# Altium PCB ESP32 V1.0.PcbDoc (part 2 of 2)
Units mm, origin at the board's own origin, x right, y up, seen from the top; angles counter-clockwise.
Board outline 74.47 x 73.52 mm, 4 copper layers (Top Layer, Layer 1, Layer 2, Bottom Layer), stack 1.571 mm thick; 107 components, 77 nets, 387 pads, 218 vias.
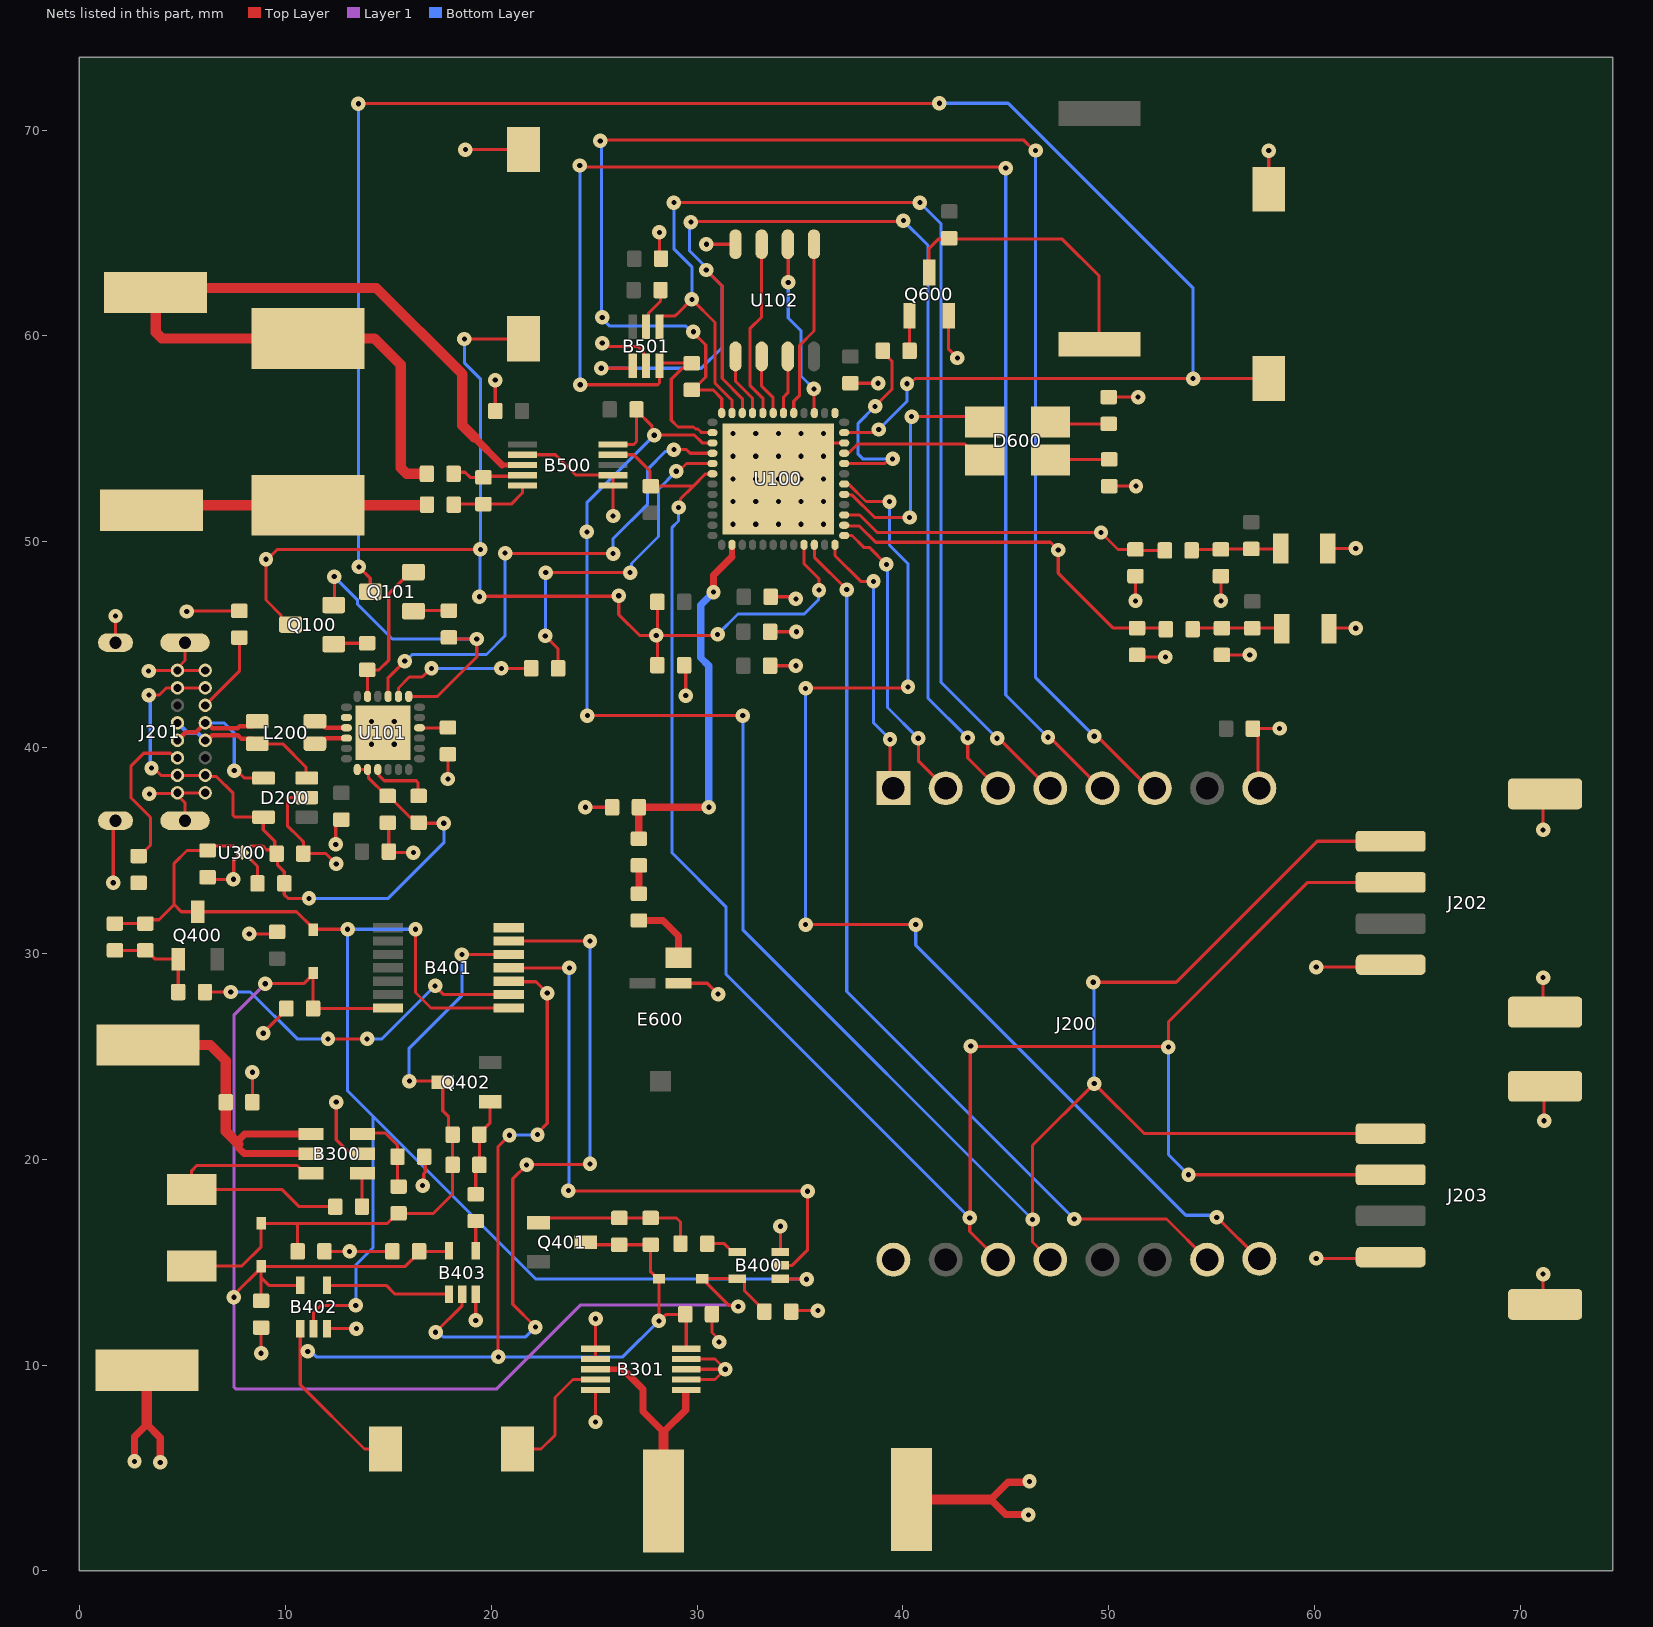
[diagram p4: the nets of this part, all layers, seen from the top]

## Via types
v1: diameter 0.7, hole 0.25, Top Layer to Bottom Layer, 189 vias
v2: diameter 0.5, hole 0.25, Top Layer to Bottom Layer, 29 vias

## Nets (pads, with @x,y where several pads share a name; then routed paths per layer and width w, separated by ;. In a path a pad name is that pad's centre, name@x,y a point inside that pad or via, vN(x,y) a via of type N, cw(c..) or ccw(c..) an arc to the next point about the centre after c; other vN are vias at no path point) (continued)
EN: C107.1 Q100.3 R101.1 SW201.1 U100.9 | length 54.6
  Top Layer w0.15: v1(9.06,49.146) v1@9.175,49.146 ; Q100.3@10.25,45.975 10.114,45.975 9.79,46.298 9.79,46.435 9.06,47.165 9.06,49.031 v1@9.175,49.146 ; v1(18.7,59.85) 21.57,59.85 SW201.1@21.575,59.855 ; v1(19.425,47.325) 19.45,47.35 26.175,47.35 v1(26.2,47.375) 26.2,46.456 27.206,45.45 v1(28.021,45.45) ; v1(19.475,49.625) 9.605,49.625 9.175,49.195 v1@9.175,49.146 ; C107.1@28.075,44 v1@28.075,45.396 ; v1@28.075,45.504 R101.1@28.075,47.075 ; v1@28.125,45.45 30.95,45.45 v1(31,45.5) ; U100.9@35.2,49.85 35.2,48.925 35.925,48.2 v1(35.925,47.65)
  Bottom Layer w0.15: v1(18.7,59.85) 18.7,58.697 19.475,57.922 v1(19.475,49.625) 19.45,49.6 19.45,47.35 v1(19.425,47.325) ; v1(31,45.5) 31.988,46.488 35.213,46.488 35.893,47.168 35.893,47.618 v1(35.925,47.65)
GND: B300.2 B301.2 B301.3 B301.4 B301.6 B301.7 B301.10 B400.3 B401.7 B402.3 B403.3 B500.1 B500.2 B500.7 B501.2 B600.2 B601.2 C100.2 C101.2 C102.2 C103.2 C104.2 C105.2 C106.2 C107.2 C108.2 C200.2 C301.2 C302.2 C303.2 C304.2 C305.2 C400.2 C404.2 C405.2 C406.2 C407.2 C500.2 C501.2 C602.2 C603.2 C604.2 C605.2 C606.2 D200.2 E600.2 J200.8 J200.16 J201.A1 J201.A12 J201.B1 J201.B12 J201.S1 J201.S2 J201.S3 J201.S4 J202.1 J202.MP1 J202.MP2 J203.1 J203.MP1 J203.MP2 P202.1 P203.1 Q600.2 R200.1 R201.1 R301.1 R601.1 R602.1 SW200.2 SW201.2 U100.22 U100.49 U101.2 U101.25 U102.4 U300.2 U300.5 | length 135.5
  Top Layer w0.15: v1(1.64,33.43) 1.64,36.34 J201.S2@1.75,36.45 ; J201.S1@1.75,45.1 v1(1.75,46.39) ; v1(3.36,43.72) 3.375,43.735 4.745,43.735 J201.B12@4.76,43.75 ; v1(3.4,37.75) 3.425,37.775 4.735,37.775 J201.B1@4.76,37.8 ; J201.S4@5.13,36.45 5.13,37.323 4.76,37.693 J201.B1@4.76,37.8 ; J201.S3@5.13,45.1 5.13,44.227 4.76,43.857 J201.B12@4.76,43.75 ; v1(5.21,46.61) 5.24,46.64 R200.1@7.77,46.64 ; J201.A12@6.11,37.8 J201.B1@4.76,37.8 ; J201.A1@6.11,43.75 J201.B12@4.76,43.75 ; C303.2@6.225,33.7 6.325,33.6 v1(7.475,33.6) 7.495,33.62 U300.2@7.495,34.575 7.575,34.575 U300.5@7.9,34.9 ; v1(8.25,30.95) 9.5,30.95 C400.2@9.6,31.05 ; C302.2@8.4,22.775 v1(8.4,24.225) ; v1(8.825,10.575) C406.2@8.825,11.825 ; v1(8.925,26.125) 8.925,26.143 10.05,27.268 C405.2@10.05,27.325 ; D200.2@11.045,37.575 10.25,37.575 10.1,37.425 10.1,36.2 10.688,35.612 10.875,35.425 C304.2@10.875,34.85 11.975,34.85 v1(12.475,34.35) ; C301.2@11.9,15.525 v1(13.125,15.525) C407.2@15.2,15.525 ; B402.3@12.025,11.775 v1(13.45,11.775) ; v1(12.45,35.3) 12.45,36.226 C101.2@12.725,36.5 ; v1(12.475,22.775) 12.475,20.95 13.013,20.412 13.613,20.412 B300.2@13.75,20.275 ; C102.2@14.975,36.35 15.025,36.3 C100.2@15.025,34.95 15.075,34.9 v1(16.225,34.9) ; v1(16.67,18.72) 16.725,18.775 16.725,19.295 16.8,19.37 16.8,20.075 R301.1@16.75,20.125 ; v1(17.9,38.475) C106.2@17.9,39.675 ; v1(18.75,69.05) 21.57,69.05 SW201.2@21.575,69.045 ; v1(19.25,12.175) B403.3@19.25,13.45 ; C501.2@20.2,56.35 v1(20.2,57.85) ; B500.7@21.525,54.225 23.125,54.225 24.1,53.25 25.9,53.25 B500.2@25.925,53.225 B500.1@25.925,52.725 v1(25.925,51.25) ; v1(24.575,37.1) C602.2@25.875,37.1 ; v1(25.069,7.236) 25.069,8.794 B301.10@25.075,8.8 ; B301.7@25.075,10.3 B301.6@25.075,10.8 v1(25.075,12.25) ; v1(25.4,59.65) 25.549,59.65 25.724,59.475 27.136,59.475 27.4,59.211 27.4,58.675 B501.2@27.525,58.55 ; v1(28.171,65.025) 28.171,63.829 C500.2@28.25,63.75 ; E600.2@29.1,28.55 30.5,28.55 v1(31.025,28.025) ; C107.2@29.375,44 29.454,43.921 v1(29.454,42.525) ; B301.2@29.475,9.3 30.875,9.3 v1(31.375,9.8) ; B301.3@29.475,9.8 v1(31.375,9.8) ; B301.4@29.475,10.3 30.875,10.3 v1(31.375,9.8) ; v1(30.454,64.45) U102.4@31.87,64.45 ; C305.2@30.725,12.475 30.725,11.588 31.075,11.238 v1(31.075,11.125) ; C103.2@33.55,43.975 v1(34.8,43.975) ; C104.2@33.55,45.625 v1(34.825,45.625) ; C105.2@33.575,47.325 34.7,47.325 v1(34.8,47.225) ; B400.3@34.05,15.5 v1(34.05,16.75) ; C404.2@34.575,12.6 34.625,12.65 v1(35.875,12.65) ; v2(36.15,55.25) 36.15,55.225 36.575,54.8 U100.22@37.15,54.8 ; C108.2@37.45,57.7 v1(38.796,57.7) ; Q600.2@42.23,60.975 42.225,60.97 42.225,59.35 v1(42.65,58.925) ; R602.1@50,57.025 v1(51.425,57.025) ; R601.1@50.025,52.7 v1(51.325,52.7) ; v1(51.3,47.125) C603.2@51.3,48.325 ; C605.2@51.375,44.5 51.475,44.4 v1(52.75,44.4) ; v1(55.45,47.125) C604.2@55.45,48.325 ; C606.2@55.5,44.5 v1(56.85,44.5) ; J200.8@57.32,38.025 57.254,38.091 57.254,40.671 C200.2@57,40.925 v1(58.3,40.925) ; SW200.2@57.775,67.12 v1(57.775,69) ; v1(60.08,15.185) 63.635,15.185 J203.1@63.7,15.25 ; v1(60.08,29.335) 63.585,29.335 J202.1@63.7,29.45 ; B600.2@60.65,49.675 v1(62,49.675) ; B601.2@60.7,45.775 60.725,45.8 v1(62,45.8) ; v1(71.1,14.425) 71.1,13.05 J203.MP1@71.2,12.95 ; v1(71.1,28.825) 71.1,27.25 J202.MP1@71.2,27.15 ; v1(71.1,36) 71.1,37.65 J202.MP2@71.2,37.75 ; v1(71.15,21.875) 71.15,23.5 J203.MP2@71.2,23.55
  Top Layer w0.254: D200.2@11.04,37.57 D200.2@11.045,37.575
  Top Layer w0.35: v1(2.675,5.325) 2.675,6.525 3.275,7.125 3.925,6.475 v1(3.925,5.275) ; v1(46.1,2.725) 46.075,2.75 45,2.75 44.275,3.475 45.112,4.312 46.112,4.312 v1(46.15,4.35)
  Top Layer w0.5: 3.275,7.125 P202.1@3.275,9.75 ; P203.1@40.425,3.475 44.275,3.475
  other v2: 14.195,40.16 15.295,40.16 14.195,41.26 15.295,41.26 31.75,50.85 32.85,50.85 33.95,50.85 35.05,50.85 36.15,50.85 31.75,51.95 32.85,51.95 33.95,51.95 35.05,51.95 36.15,51.95 31.75,53.05 32.85,53.05 33.95,53.05 35.05,53.05 36.15,53.05 31.75,54.15 32.85,54.15 33.95,54.15 35.05,54.15 36.15,54.15 31.75,55.25 32.85,55.25 33.95,55.25 35.05,55.25
GPIO0: Q101.3 SW200.1 U100.23 | length 94.8
  Top Layer w0.15: v1(13.55,71.275) 13.563,71.288 41.762,71.288 v1(41.775,71.3) ; v1(13.575,48.775) 14.125,48.225 Q101.3@14.125,47.575 ; U100.23@37.15,55.3 38.526,55.3 38.676,55.45 v1(38.825,55.45) ; v1(40.2,57.675) 40.349,57.675 40.604,57.93 SW200.1@57.775,57.93
  Bottom Layer w0.15: v1(13.55,71.275) 13.563,71.263 13.563,48.787 v1(13.575,48.775) ; v1(38.825,55.45) 40.2,56.825 v1(40.2,57.675) ; v1(41.775,71.3) 45.114,71.3 54.1,62.314 v1(54.1,57.925)
GPIO17: U100.27 U102.2 | length 8.7
  Top Layer w0.15: U102.2@34.41,64.45 34.43,64.43 v1(34.43,62.595) ; v1(35.675,57.425) 35.688,57.412 35.688,56.262 U100.27@35.7,56.25
  Bottom Layer w0.15: v1(34.43,62.595) 34.43,60.87 35.05,60.25 35.05,58.05 v1(35.675,57.425)
NetB300_1: B300.1 C300.2 | length 1.6
  Top Layer w0.15: C300.2@13.725,17.7 13.725,19.3 B300.1@13.75,19.325
NetB300_3: B300.3 R300.1 R301.2 | length 4
  Top Layer w0.15: B300.3@13.75,21.225 13.8,21.275 14.85,21.275 15.45,20.675 R301.2@15.45,20.125 ; R301.2@15.45,20.125 15.45,18.725 R300.1@15.5,18.675
NetB300_6: B300.6 C300.1 L1.1 | length 14.3
  Top Layer w0.15: B300.6@11.25,19.325 10.95,19.325 10.575,19.7 5.7,19.7 5.45,19.45 L1.1@5.45,18.525 5.9,18.525 9.85,18.525 10.675,17.7 C300.1@12.425,17.7
NetB301_9: B301.9 L2.1 | length 6.3
  Top Layer w0.15: L2.1@21.275,5.925 22.425,5.925 23.1,6.6 23.1,8.425 23.975,9.3 B301.9@25.075,9.3
NetB400_4: B400.4 R403.1 | length 1.6
  Top Layer w0.15: R403.1@30.5,15.9 31.325,15.9 31.725,15.5 B400.4@31.95,15.5
NetB402_4: B402.4 B403.1 | length 6.1
  Top Layer w0.15: B402.4@12.025,13.875 14.9,13.875 15.325,13.45 B403.1@17.95,13.45
NetB403_4: B403.4 R405.1 | length 1.5
  Top Layer w0.15: B403.4@19.25,15.55 R405.1@19.25,17
NetB500_4: B500.4 J200.14 J202.3 J203.3 R502.2 U100.42 | length 100
  Top Layer w0.15: B500.4@25.925,54.225 26.925,54.225 27.707,53.443 27.707,52.7 R502.2@27.75,52.7 29.811,52.7 ; v1(29.105,51.662) 29.195,51.753 29.195,52.085 29.811,52.7 ; U100.42@30.75,53.3 30.41,53.299 29.811,52.7 ; J200.14@44.62,15.125 43.25,16.495 v1(43.25,17.15) 43.275,17.175 43.275,25.475 v1(43.3,25.5) 43.325,25.475 52.875,25.475 v1(52.9,25.45) 52.9,26.675 59.675,33.45 J202.3@63.7,33.45 ; v1(53.875,19.25) J203.3@63.7,19.25
  Bottom Layer w0.15: v1(29.105,51.662) 29.105,51.005 28.775,50.675 28.775,34.9 31.4,32.275 31.4,29 v1(43.25,17.15) ; v1(52.9,25.45) 52.9,20.225 v1(53.875,19.25)
NetB500_5: B500.5 J200.13 J202.4 J203.4 R503.2 U100.39 | length 107.9
  Top Layer w0.15: v1(24.675,41.55) v1(32.225,41.55) ; B500.5@25.925,54.725 26.925,54.725 27.061,54.861 R503.2@27.061,56.425 ; R503.2@27.061,56.382 27.061,56.375 27.82,55.616 27.82,55.28 v1(27.925,55.175) 29.875,55.175 30.25,54.8 U100.39@30.75,54.8 ; J200.13@47.16,15.125 46.3,15.985 v1(46.3,17.075) 46.3,20.675 v1(49.3,23.675) 51.725,21.25 J203.4@63.7,21.25 ; v1(49.25,28.6) 53.275,28.6 60.125,35.45 J202.4@63.7,35.45
  Bottom Layer w0.15: v1(24.675,41.55) 24.663,41.563 24.663,50.462 v1(24.65,50.475) 24.65,51.9 v1(27.925,55.175) ; v1(32.225,41.55) 32.225,31.15 v1(46.3,17.075) ; v1(49.25,28.6) 49.275,28.575 49.275,23.7 v1(49.3,23.675)
NetB501_1: B501.1 J200.3 U100.34 | length 62.2
  Top Layer w0.15: v1(25.35,58.425) 26.75,58.425 B501.1@26.875,58.55 ; v1(29.704,65.525) 29.742,65.563 39.987,65.563 v1(40.025,65.6) ; v1(30.45,63.2) 31.225,62.425 31.225,57.925 32.2,56.95 U100.34@32.2,56.25 ; v1(43.15,40.475) 43.15,39.495 J200.3@44.62,38.025
  Bottom Layer w0.15: v1(25.35,58.425) 30.211,58.425 31.225,59.439 31.225,62.425 v1(30.45,63.2) 30.45,63.325 29.625,64.15 29.625,65.446 v1(29.704,65.525) ; v1(40.025,65.6) 41.225,64.4 41.225,42.4 v1(43.15,40.475)
NetB501_3: B501.3 J200.5 R501.2 U100.38 | length 75.5
  Top Layer w0.15: v1(24.3,68.275) 24.375,68.2 44.95,68.2 v1(45,68.15) ; v1(24.325,57.625) 28.087,57.625 28.175,57.713 B501.3@28.175,58.55 28.3,58.675 R501.2@29.75,58.675 29.504,58.429 29.279,58.429 28.75,57.9 28.75,55.9 29.075,55.575 29.829,55.575 29.929,55.475 30.05,55.475 30.225,55.3 U100.38@30.75,55.3 ; v1(47.05,40.5) 47.137,40.5 49.612,38.025 J200.5@49.7,38.025
  Bottom Layer w0.15: v1(24.3,68.275) 24.325,68.25 v1(24.325,57.625) ; v1(45,68.15) 45,42.55 v1(47.05,40.5)
NetB501_4: B501.4 J200.4 U100.35 | length 56.8
  Top Layer w0.15: B501.4@28.175,60.45 28.175,60.835 28.3,60.96 28.91,60.96 28.976,61.026 ; v1(28.875,66.475) v1(40.825,66.475) ; 29.001,61.026 v1(29.75,61.775) 30.873,60.652 30.873,57.702 31.7,56.875 U100.35@31.7,56.25 ; v1(44.575,40.45) 44.655,40.45 47.08,38.025 J200.4@47.16,38.025
  Bottom Layer w0.15: v1(28.875,66.475) 28.875,64.225 29.75,63.35 v1(29.75,61.775) ; v1(40.825,66.475) 41.85,65.45 41.85,43.175 v1(44.575,40.45)
NetB501_5: B501.5 R500.1 | length 2.2
  Top Layer w0.15: B501.5@27.525,60.325 27.65,60.45 27.65,61.111 28.225,61.686 R500.1@28.225,62.225
NetB600_1: B600.1 C604.1 R604.1 R605.2 | length 4.4
  Top Layer w0.15: R605.2@54.025,49.575 54.075,49.625 C604.1@55.45,49.625 55.463,49.637 56.912,49.637 R604.1@56.925,49.65 58.325,49.65 B600.1@58.35,49.675
NetB601_1: B601.1 C606.1 R606.1 R607.2 | length 4.4
  Top Layer w0.15: R607.2@54.075,45.75 54.125,45.8 C606.1@55.5,45.8 R606.1@56.975,45.8 58.375,45.8 B601.1@58.4,45.775
NetC106_1: C106.1 U101.16 | length 1.4
  Top Layer w0.15: U101.16@16.52,40.96 17.885,40.96 C106.1@17.9,40.975
NetC401_2: C401.2 Q400.1 R400.1 R401.2 | length 4.9
  Top Layer w0.15: C401.2@1.725,30.15 R400.1@3.2,30.15 3.257,30.15 3.682,29.725 Q400.1@4.8,29.725 R401.2@4.8,28.125
NetC402_2: C402.2 Q401.1 R402.1 R403.2 | length 8.1
  Top Layer w0.15: Q401.1@22.3,16.925 22.525,17.15 R402.1@26.225,17.15 C402.2@27.75,17.15 ; C402.2@27.75,17.15 29,17.15 29.2,16.95 R403.2@29.2,15.9
NetC403_2: C403.2 Q402.1 R404.1 R405.2 | length 4.8
  Top Layer w0.15: R405.2@19.25,18.3 19.25,19.55 C403.2@19.425,19.725 ; C403.2@19.425,19.725 R404.1@19.425,21.2 19.425,21.25 19.95,21.775 Q402.1@19.95,22.8
NetC600_1: C600.1 C602.1 U100.2 | length 18.4
  Top Layer w0.3: 31.7,49.275 31.7,49.493 U100.2@31.7,49.78
  Top Layer w0.36: C600.1@27.175,35.575 C602.1@27.175,37.1 v1@30.575,37.1 ; v1(30.8,47.55) 30.8,48.375 31.7,49.275
  Bottom Layer w0.36: v1(30.575,37.1) 30.575,43.975 30.172,44.378 30.172,46.92 30.8,47.548 v1(30.8,47.55)
NetC600_2: C600.2 C601.2 | length 1.4
  Top Layer w0.341: C601.2@27.175,32.9 C600.2@27.175,34.275
NetC601_1: C601.1 E600.3 | length 3.3
  Top Layer w0.341: C601.1@27.175,31.6 28.35,31.6 29.1,30.85 E600.3@29.1,29.8
NetC603_1: C603.1 R605.1 U100.15 | length 16.3
  Top Layer w0.15: U100.15@37.15,51.3 37.9,51.3 38.75,50.45 v1(49.625,50.45) 50.45,49.625 C603.1@51.3,49.625 51.35,49.575 R605.1@52.725,49.575
NetC605_1: C605.1 R607.1 U100.14 | length 18.4
  Top Layer w0.15: U100.14@37.15,50.8 37.188,50.762 37.888,50.762 38.675,49.975 47.175,49.975 v1(47.55,49.6) 47.55,48.475 50.225,45.8 C605.1@51.375,45.8 52.725,45.8 R607.1@52.775,45.75
NetD600_1: D600.1 U100.17 | length 12.2
  Top Layer w0.15: U100.17@37.15,52.3 37.188,52.262 37.543,52.262 38.63,51.175 v1(40.325,51.175) ; v1(40.425,56.075) 43.725,56.075 D600.1@43.975,55.825
  Bottom Layer w0.15: v1(40.325,51.175) 40.375,51.225 40.375,56.025 v1(40.425,56.075)
NetD600_2: D600.2 R602.2 | length 2.9
  Top Layer w0.15: D600.2@47.175,55.825 47.275,55.725 R602.2@50,55.725
NetD600_3: D600.3 U100.21 | length 7.3
  Top Layer w0.15: U100.21@37.15,54.3 37.188,54.338 37.397,54.338 37.809,54.75 43.012,54.75 43.1,54.662 43.1,54.65 43.775,53.975 D600.3@43.975,53.975
NetD600_4: D600.4 R601.2 | length 2.9
  Top Layer w0.15: D600.4@47.175,53.975 47.2,54 R601.2@50.025,54
NetJ200_1: J200.1 U100.12 | length 13.4
  Top Layer w0.15: U100.12@36.7,49.85 36.7,49.325 37.95,48.075 v1(38.575,48.075) ; v1(39.375,40.4) 39.375,38.19 J200.1@39.54,38.025
  Bottom Layer w0.15: v1(38.575,48.075) 38.575,41.2 v1(39.375,40.4)
NetJ200_2: J200.2 U100.13 | length 14.7
  Top Layer w0.15: U100.13@37.15,50.3 37.525,50.3 38.1,49.725 38.371,49.725 v1(39.2,48.896) ; v1(40.75,40.45) 40.75,39.355 J200.2@42.08,38.025
  Bottom Layer w0.15: v1(39.2,48.896) 39.254,48.842 39.254,41.946 v1(40.75,40.45)
NetJ200_6: J200.6 R501.1 U100.36 | length 74.1
  Top Layer w0.15: v1(25.3,69.475) 25.35,69.525 45.85,69.525 46.371,69.004 v1(46.45,69.004) ; v1(29.825,60.2) 29.825,60.151 30.423,59.553 30.423,57.998 29.8,57.375 R501.1@29.75,57.375 30.775,57.375 31.2,56.95 U100.36@31.2,56.25 ; v1(49.3,40.55) 49.449,40.55 51.974,38.025 J200.6@52.24,38.025
  Bottom Layer w0.15: v1(25.3,69.475) 25.363,69.412 25.363,60.962 25.363,60.876 25.764,60.475 29.462,60.475 29.737,60.2 v1(29.825,60.2) ; v1(46.45,69.004) 46.45,43.4 v1(49.3,40.55)
  other v1: 25.4,60.9
NetJ200_9: J200.9 U100.18 | length 57.8
  Top Layer w0.15: v1(35.275,31.4) v1(40.625,31.4) ; v1(35.275,42.875) 35.288,42.888 40.188,42.888 v1(40.25,42.95) ; U100.18@37.15,52.8 37.188,52.762 37.397,52.762 38.209,51.95 v1(39.35,51.95) ; v1(55.25,17.175) 55.28,17.175 57.29,15.165 J200.9@57.32,15.165
  Bottom Layer w0.15: v1(35.275,31.4) v1(35.275,42.875) ; v1(39.35,51.95) 39.35,49.835 40.25,48.935 v1(40.25,42.95) ; v1(40.625,31.4) 40.625,30.4 53.745,17.28 55.145,17.28 v1(55.25,17.175)
NetJ200_10: J200.10 U100.10 | length 45.3
  Top Layer w0.15: U100.10@35.7,49.85 35.7,49.25 v1(37.275,47.675) ; v1(48.325,17.1) 52.805,17.1 J200.10@54.78,15.125
  Bottom Layer w0.15: v1(37.275,47.675) 37.275,28.15 v1(48.325,17.1)
NetJ201_A5: J201.A5 R200.2 | length 4
  Top Layer w0.15: J201.A5@6.11,42.05 7.77,43.71 R200.2@7.77,45.34
NetJ201_B5: J201.B5 R201.2 | length 7.6
  Top Layer w0.15: R201.2@2.87,34.73 2.92,34.73 3.45,35.26 3.45,36.61 2.51,37.55 2.51,39.11 3.125,39.725 4.422,39.725 4.647,39.5 J201.B5@4.76,39.5
NetLS1_N: LS1.N Q600.3 R600.1 | length 13.6
  Top Layer w0.15: Q600.3@41.275,63.075 41.275,64.25 41.721,64.696 42.125,64.696 42.129,64.7 47.75,64.7 49.525,62.925 LS1.N@49.525,59.675
NetP500_1: P500.1 R504.2 X500.2 | length 13.5
  Top Layer w0.5: P500.1@3.5,51.525 3.75,51.775 16.856,51.775 R504.2@16.882,51.801
NetQ100_1: Q100.1 R102.1 | length 1.6
  Top Layer w0.15: Q100.1@12.35,45.025 12.394,45.069 13.969,45.069 R102.1@13.975,45.075
NetQ100_2: Q100.2 R104.2 U101.19 | length 16
  Top Layer w0.15: Q100.2@12.35,46.925 12.38,46.955 v1(12.38,48.305) ; U101.19@15.995,42.485 17.385,42.485 19.3,44.4 v1(19.3,45.275) 18.025,45.275 R104.2@17.95,45.35
  Bottom Layer w0.15: v1(12.38,48.305) 13.5,47.185 13.5,46.975 15.2,45.275 v1(19.3,45.275)
NetQ101_1: Q101.1 R104.1 | length 1.7
  Top Layer w0.15: Q101.1@16.225,46.625 16.25,46.65 R104.1@17.95,46.65
NetQ101_2: Q101.2 R102.2 U101.23 | length 7.4
  Top Layer w0.15: U101.23@13.995,42.485 13.995,43.755 R102.2@13.975,43.775 14.55,43.775 15.025,44.25 15.025,47.475 16.075,48.525 Q101.2@16.225,48.525
NetQ600_1: Q600.1 R603.2 | length 1.7
  Top Layer w0.15: Q600.1@40.32,60.975 40.325,60.97 R603.2@40.325,59.275
NetR100_1: R100.1 U101.9 | length 3
  Top Layer w0.15: U101.9@14.495,38.935 14.533,38.897 14.533,38.663 14.809,38.387 16.362,38.387 16.45,38.299 16.45,37.675 R100.1@16.475,37.65
NetR103_2: R103.2 U100.41 | length 16.8
  Top Layer w0.15: v1(22.625,45.425) 23.25,44.8 R103.2@23.25,43.85 ; v1(22.65,48.5) v1(26.75,48.5) ; v1(28.991,53.421) 29.109,53.421 29.488,53.8 U100.41@30.75,53.8
  Bottom Layer w0.15: v1(22.625,45.425) 22.638,45.438 22.638,48.488 v1(22.65,48.5) ; v1(26.75,48.5) 26.819,48.569 26.819,48.944 28.125,50.25 28.125,52.555 v1(28.991,53.421)
NetR302_1: R302.1 U300.3 | length 1.3
  Top Layer w0.15: U300.3@8.305,34.575 8.65,34.23 R302.1@8.65,33.4
NetR603_1: R603.1 U100.20 | length 10.1
  Top Layer w0.15: U100.20@37.15,53.8 39.126,53.8 39.351,54.025 v1(39.5,54.025) ; v1(38.65,56.575) 39.475,57.4 39.475,58.768 39.025,59.218 R603.1@39.025,59.275
  Bottom Layer w0.15: v1(38.65,56.575) 37.825,55.75 37.825,54.25 38.05,54.025 v1(39.5,54.025)
NetU100_25: U100.25
SD_CLK: U100.31 U102.6 | length 3
  Top Layer w0.15: U102.6@33.14,59 33.14,57.56 33.7,57 U100.31@33.7,56.25
SD_CMD: U100.30 U102.7 | length 2.8
  Top Layer w0.15: U100.30@34.2,56.25 34.2,57.025 34.41,57.235 U102.7@34.41,59
SD_DATA_0: U100.32 U102.3 | length 8.7
  Top Layer w0.15: U102.3@33.14,64.45 33.14,60.917 32.567,60.344 32.567,57.608 33.2,56.975 U100.32@33.2,56.25
SD_DATA_1: U100.33 U102.5 | length 3.1
  Top Layer w0.15: U102.5@31.87,59 31.87,57.788 32.7,56.958 U100.33@32.7,56.25
SD_DATA_3: U100.29 U102.1 | length 8.6
  Top Layer w0.15: U100.29@34.7,56.25 34.7,56.825 34.983,57.108 34.983,59.538 35.68,60.235 U102.1@35.68,64.45
SHUNT+: B500.10 C502.1 R504.1 | length 3.9
  Top Layer w0.15: R504.1@18.182,51.801 18.206,51.825 20.975,51.825 21.525,52.375 B500.10@21.525,52.725
SHUNT-: B500.9 C502.2 R505.1 | length 3.5
  Top Layer w0.15: R505.1@18.175,53.3 18.25,53.375 18.732,53.375 18.982,53.125 C502.2@19.625,53.125 19.678,53.178 21.478,53.178 B500.9@21.525,53.225
SIM_VBATT: B500.8 P501.1 R505.2 X500.1 | length 43.8
  Top Layer w0.25: 20.525,53.725 B500.8@21.525,53.725
  Top Layer w0.35: 19.175,55.075 20.525,53.725
  Top Layer w0.5: R505.2@16.875,53.3 15.894,53.3 15.601,53.593 15.601,58.599 14.325,59.875 X500.1@11.1,59.875 3.993,59.875 3.7,60.168 3.7,61.9 P501.1@3.7,62.1 3.925,62.325 14.425,62.325 18.6,58.15 18.6,55.65 19.175,55.075
U0RXD: U100.40 U101.21 | length 25.1
  Top Layer w0.15: U101.21@14.995,42.485 14.995,43.395 v1(15.8,44.2) ; v1(20.675,49.45) 20.687,49.438 25.912,49.438 v1(25.925,49.425) ; v1(28.875,54.475) 29.491,54.475 29.666,54.3 U100.40@30.75,54.3
  Bottom Layer w0.15: v1(15.8,44.2) 15.838,44.2 16.163,44.525 19.775,44.525 20.675,45.425 v1(20.675,49.45) ; v1(25.925,49.425) 25.925,50.153 27.6,51.828 27.6,53.525 28.456,54.381 28.781,54.381 v1(28.875,54.475)
U0TXD: R103.1 U101.20 | length 7.3
  Top Layer w0.15: U101.20@15.495,42.485 15.495,42.895 16.025,43.425 16.65,43.425 17.071,43.846 v1(17.1,43.846) ; v1(20.5,43.846) 21.946,43.846 R103.1@21.95,43.85
  Bottom Layer w0.15: v1(17.1,43.846) 17.102,43.848 20.498,43.848 v1(20.5,43.846)
USB_D_N: L200.1 U101.4 | length 1.6
  Top Layer w0.22: L200.1@11.44,40.18 11.66,40.18 11.94,40.46 U101.4@12.97,40.46
USB_D_P: L200.4 U101.3 | length 1.7
  Top Layer w0.22: L200.4@11.44,41.28 11.64,41.28 11.96,40.96 U101.3@12.97,40.96
USB_FLT_N: D200.3 J201.A7 J201.B7 L200.2 | length 7.9
  Top Layer w0.15: L200.2@8.64,40.18 9.875,40.18 11.008,39.046 11.008,38.552 D200.3@11.04,38.52
  Top Layer w0.22: J201.A7@6.11,40.35 6.202,40.35 6.454,40.601 7.69,40.601 7.872,40.42 8.4,40.42 L200.2@8.64,40.18
  Bottom Layer w0.22: J201.B7@4.76,41.2 5.23,40.73 5.73,40.73 J201.A7@6.11,40.35
USB_FLT_P: D200.4 J201.A6 J201.B6 L200.3 | length 9.5
  Top Layer w0.15: v1(7.52,38.88) 7.65,38.88 8.01,38.52 D200.4@8.94,38.52
  Top Layer w0.22: J201.B6@4.76,40.35 5.163,40.753 5.663,40.753 J201.A6@6.11,41.2 6.202,41.2 6.454,40.949 7.69,40.949 7.781,41.04 8.4,41.04 L200.3@8.64,41.28
  Bottom Layer w0.15: J201.A6@6.11,41.2 7.02,41.2 7.52,40.7 v1(7.52,38.88)
Valim_logique: B400.5 B401.14 B402.5 B403.5 C404.1 C405.1 C406.1 C407.1 DARR700.1 DARR701.1 DARR702.1 | length 75.8
  Top Layer w0.15: v1(7.5,13.3) 7.5,13.405 DARR701.1@8.825,14.73 ; C406.1@8.825,13.125 8.825,14.25 ; v1(9.025,28.525) 9.044,28.544 10.914,28.544 11.195,28.825 DARR700.1@11.35,28.98 ; B402.5@10.725,13.875 9.2,13.875 8.825,14.25 ; DARR700.1@11.35,29.05 DARR700.1@11.35,28.98 ; B401.14@14.987,27.35 14.962,27.325 C405.1@11.35,27.325 DARR700.1@11.35,28.98 ; B403.5@17.95,15.55 17.925,15.525 C407.1@16.5,15.525 16.5,15.475 15.825,14.8 DARR701.1@8.825,14.8 DARR701.1@8.825,14.73 ; v1(32,12.85) 31.943,12.907 31.543,12.907 DARR702.1@30.25,14.2 B400.5@31.95,14.2 32.175,14.2 32.3,14.075 32.3,13.625 33.275,12.65 C404.1@33.275,12.6 ; 8.825,14.25 DARR701.1@8.825,14.73
  Layer 1 w0.15: v1(9.025,28.525) 7.5,27 7.5,8.938 7.588,8.85 20.275,8.85 24.354,12.929 31.921,12.929 v1(32,12.85)
VBatt_BT: B301.1 B301.8 P201.1 | length 10.5
  Top Layer w0.25: B301.8@25.6,9.8 26.4,9.8
  Top Layer w0.35: 26.4,9.8 27.375,8.825 27.375,7.743 28.372,6.747 28.375,6.747 29.45,7.822 B301.1@29.45,8.775
  Top Layer w0.5: P201.1@28.375,3.4 28.375,6.747
VBatt_BT_Convert: B301.5 B401.3 B402.1 C305.1 C402.1 DARR702.2 L2.2 Q401.3 R402.2 | length 58.2
  Top Layer w0.15: B402.1@10.725,11.775 10.725,10.668 ; v1(11.093,10.668) 10.725,10.668 ; L2.2@14.875,5.925 13.85,5.925 10.725,9.05 10.725,10.3 10.725,10.668 ; v1(20.35,10.4) 20.325,10.425 20.325,20.599 v1(20.891,21.165) ; B401.3@20.863,28.65 20.888,28.625 22.175,28.625 v1(22.725,28.075) 22.725,21.749 22.25,21.274 v1(22.25,21.2) ; Q401.3@24.6,15.975 24.725,15.85 R402.2@26.225,15.85 ; R402.2@26.225,15.85 C402.1@27.75,15.85 ; C402.1@27.75,15.85 27.75,14.53 28.08,14.2 DARR702.2@28.15,14.2 v1(28.15,12.15) 28.194,12.15 28.513,12.469 C305.1@29.419,12.469 ; C305.1@29.425,12.475 29.475,12.425 B301.5@29.475,10.8
  Bottom Layer w0.15: v1(11.093,10.668) 11.241,10.668 11.509,10.4 26.4,10.4 v1(28.15,12.15) ; v1(20.891,21.165) 20.908,21.183 22.233,21.183 v1(22.25,21.2)
Vbatt_BT_Invert: B400.2 B401.4 | length 29.9
  Top Layer w0.15: B401.4@20.863,29.3 v1(23.8,29.3) ; v1(23.75,18.475) 23.763,18.463 35.362,18.463 v1(35.375,18.45) 35.375,15.604 34.621,14.85 B400.2@34.05,14.85
  Bottom Layer w0.15: v1(23.75,18.475) 23.775,18.5 23.775,29.275 v1(23.8,29.3)
VBatt_HT: B300.4 B300.5 C302.1 P200.1 | length 16.1
  Top Layer w0.35: B300.5@11.25,20.275 8,20.275 7.725,20.55 7.725,20.738 7.725,20.925 8.025,21.225 B300.4@11.25,21.225
  Top Layer w0.5: P200.1@3.325,25.55 6.35,25.55 7.1,24.8 C302.1@7.1,22.775 7.1,21.362 7.725,20.738
VBatt_HT_Convert: B401.5 C301.1 C403.1 DARR701.2 L1.2 Q402.3 R300.2 R404.2 | length 33
  Top Layer w0.15: L1.2@5.45,14.825 7.9,14.825 8.825,15.75 DARR701.2@8.825,16.9 8.845,16.88 10.5,16.88 ; C301.1@10.6,15.525 10.6,16.78 10.5,16.88 ; v1(16.025,23.8) 17.6,23.8 Q402.3@17.65,23.75 17.65,22.35 17.938,22.062 17.938,21.388 R404.2@18.125,21.2 C403.1@18.125,19.725 18.125,18.3 17.2,17.375 R300.2@15.5,17.375 15.45,17.375 14.955,16.88 10.5,16.88 ; v1(18.575,29.95) B401.5@20.863,29.95
  Bottom Layer w0.15: v1(16.025,23.8) 16,23.825 16,25.375 18.575,27.95 v1(18.575,29.95)
Vbatt_HT_Invert: B401.6 B403.2 | length 34
  Top Layer w0.15: v1(17.3,11.6) 18.588,12.888 18.588,13.438 B403.2@18.6,13.45 ; B401.6@20.863,30.6 v1(24.8,30.6) ; v1(22.15,11.85) 21.05,12.95 21.05,19.05 v1(21.725,19.725) 21.75,19.75 24.775,19.75 v1(24.8,19.775)
  Bottom Layer w0.15: v1(17.3,11.6) 17.438,11.6 17.663,11.375 21.675,11.375 v1(22.15,11.85) ; v1(24.8,19.775) v1(24.8,30.6)
VBUS: C102.1 C304.1 D200.5 J201.A4 J201.A9 J201.B4 J201.B9 R100.2 R302.2 U101.7 U101.8 U300.4 | length 34.4
  Top Layer w0.15: v1(3.375,42.55) 3.875,42.55 4.225,42.9 J201.A4@6.11,42.9 ; v1(3.5,39) 3.613,39 3.963,38.65 J201.B4@4.76,38.65 J201.A9@6.11,38.65 6.17,38.59 6.66,38.59 7.45,37.8 7.45,36.725 7.555,36.62 D200.5@8.94,36.62 ; U300.4@8.305,35.225 8.9,35.225 9.088,35.037 9.388,35.037 C304.1@9.487,34.938 ; D200.5@8.93,36.61 8.93,36.007 9.487,35.45 C304.1@9.487,34.938 ; v1(11.15,32.675) 10.132,32.675 9.95,32.857 9.95,33.975 9.612,34.313 9.612,34.813 C304.1@9.487,34.938 ; U101.7@13.495,38.935 U101.8@13.995,38.935 14.033,38.897 14.033,38.542 14.925,37.65 C102.1@14.975,37.65 15.025,37.65 16.058,36.617 16.208,36.617 R100.2@16.475,36.35 16.5,36.325 v1(17.7,36.325)
  Bottom Layer w0.15: v1(3.375,42.55) 3.438,42.487 3.438,39.062 v1(3.5,39) ; v1(11.15,32.675) 15,32.675 17.7,35.375 v1(17.7,36.325)
VBUS_CONVERT: B400.1 B401.1 B402.2 C303.1 C401.1 DARR700.2 Q400.3 R400.2 U300.1 | length 76.4
  Top Layer w0.15: C401.1@1.725,31.45 R400.2@3.2,31.45 3.387,31.638 3.863,31.638 4.6,32.375 ; U300.1@7.495,35.225 6.45,35.225 C303.1@6.225,35 5.225,35 4.6,34.375 4.6,32.375 ; B402.2@11.375,11.775 11.375,12.55 11.725,12.9 v1(13.425,12.9) ; v1(13.025,31.175) 11.375,31.175 DARR700.2@11.35,31.15 11.35,31.22 10.545,32.025 Q400.3@5.75,32.025 4.95,32.025 4.6,32.375 ; v1(16.325,31.175) 16.325,28.1 17.075,27.35 19.118,27.35 B401.1@20.863,27.35 ; B400.1@34.05,14.2 34.062,14.188 35.312,14.188 v1(35.325,14.175)
  Bottom Layer w0.15: v1(13.425,12.9) 13.425,14.85 ; 13.425,14.865 14.25,15.69 14.25,22.1 ; v1(16.325,31.175) v1(13.025,31.175) 13.025,23.325 14.25,22.1 ; v1(35.325,14.175) 22.175,14.175 14.25,22.1
Vbus_Convert_Invert: B401.2 R401.1 | length 16.9
  Top Layer w0.15: R401.1@6.1,28.125 v1(7.35,28.125) ; v1(12.075,25.85) v1(13.975,25.85) ; v1(17.275,28.425) 17.7,28 B401.2@20.863,28
  Bottom Layer w0.15: v1(7.35,28.125) 8.3,28.125 10.575,25.85 v1(12.075,25.85) ; v1(13.975,25.85) 14.7,25.85 v1(17.275,28.425)
pads on no net: B401.8 B401.9 B401.10 B401.11 B401.12 B401.13 B500.3 D200.1 E600.1 E600.4 J200.11 J200.12 J200.15 J201.A8 J201.B8 U100.5 U100.6 U100.7 U100.8 U100.11 U100.16 U100.24 U100.26 U100.28 U100.44 U100.45 U100.47 U100.48 U101.1 U101.10 U101.11 U101.12 U101.13 U101.14 U101.15 U101.17 U101.18 U101.22 U101.24

## Polygon pours and split planes (outlines as drawn)
GND on Layer 1 "GND" (solid, remove dead copper, pour order 0): 0,73.525 74.475,73.525 74.475,0 0,0
3V3 on Layer 2 "3V3" (solid, remove dead copper, pour order 3): 0,73.525 0,0 74.475,0 74.475,73.525
GND on Top Layer "GND_L01_P007" (solid, pour order 7): 0,0 0,73.525 74.475,73.525 74.475,0
GND on Bottom Layer "GND_L04_P008" (solid, pour order 8): 0,73.525 0,0 9.5,0 74.475,0 74.475,73.525

## Silkscreen, mask and mechanical layers (free items; w line width, h text height)
Top Overlay:
  text "+ VLOAD" at 0.95,64.05 h0.8
  text "SHUNT" at 1.35,59.225 h1 r270
  text "- VLOAD" at 0.825,48.825 h0.8
  text "BATT-HT" at 0.625,23.45 h1.52 r270
  text "+" at 4.229,22.075 h1.52
  text "-" at 5.783,11.854 h1.52 r90
  text "-" at 38.146,6.158 h1.52 r180
  text "+" at 30.529,4.725 h1.52
  text "V1.0 rev A" at 64.3,2.3 h1
  text "J.CLEMENT & D.FOURNIER" at 52.8,0.6 h1
  text "BATT-BT" at 30.85,0.55 h1
Mechanical 1:
  the board outline again, w0.254

## Text inside footprints (layer, text, board x,y; h text height)
J201: Mechanical 13 "PCB EDGE" at -1.34,35.48 h0.81 r270
LS1: Top Overlay "-" at 50.25,57.6 h1.27 r270; Top Overlay "+" at 50.25,72.8 h1.27 r270; Mechanical 13 "-" at 50.25,57.6 h1.27 r270; Mechanical 13 "+" at 50.25,72.8 h1.27 r270
Q100: Mechanical 9 "SOT-23" at 11.55,44.559 h0.5 r90
Q101: Mechanical 9 "SOT-23" at 15.425,46.159 h0.5 r90